# Altium PCB MB V3.PcbDoc (part 1 of 4) (continued)
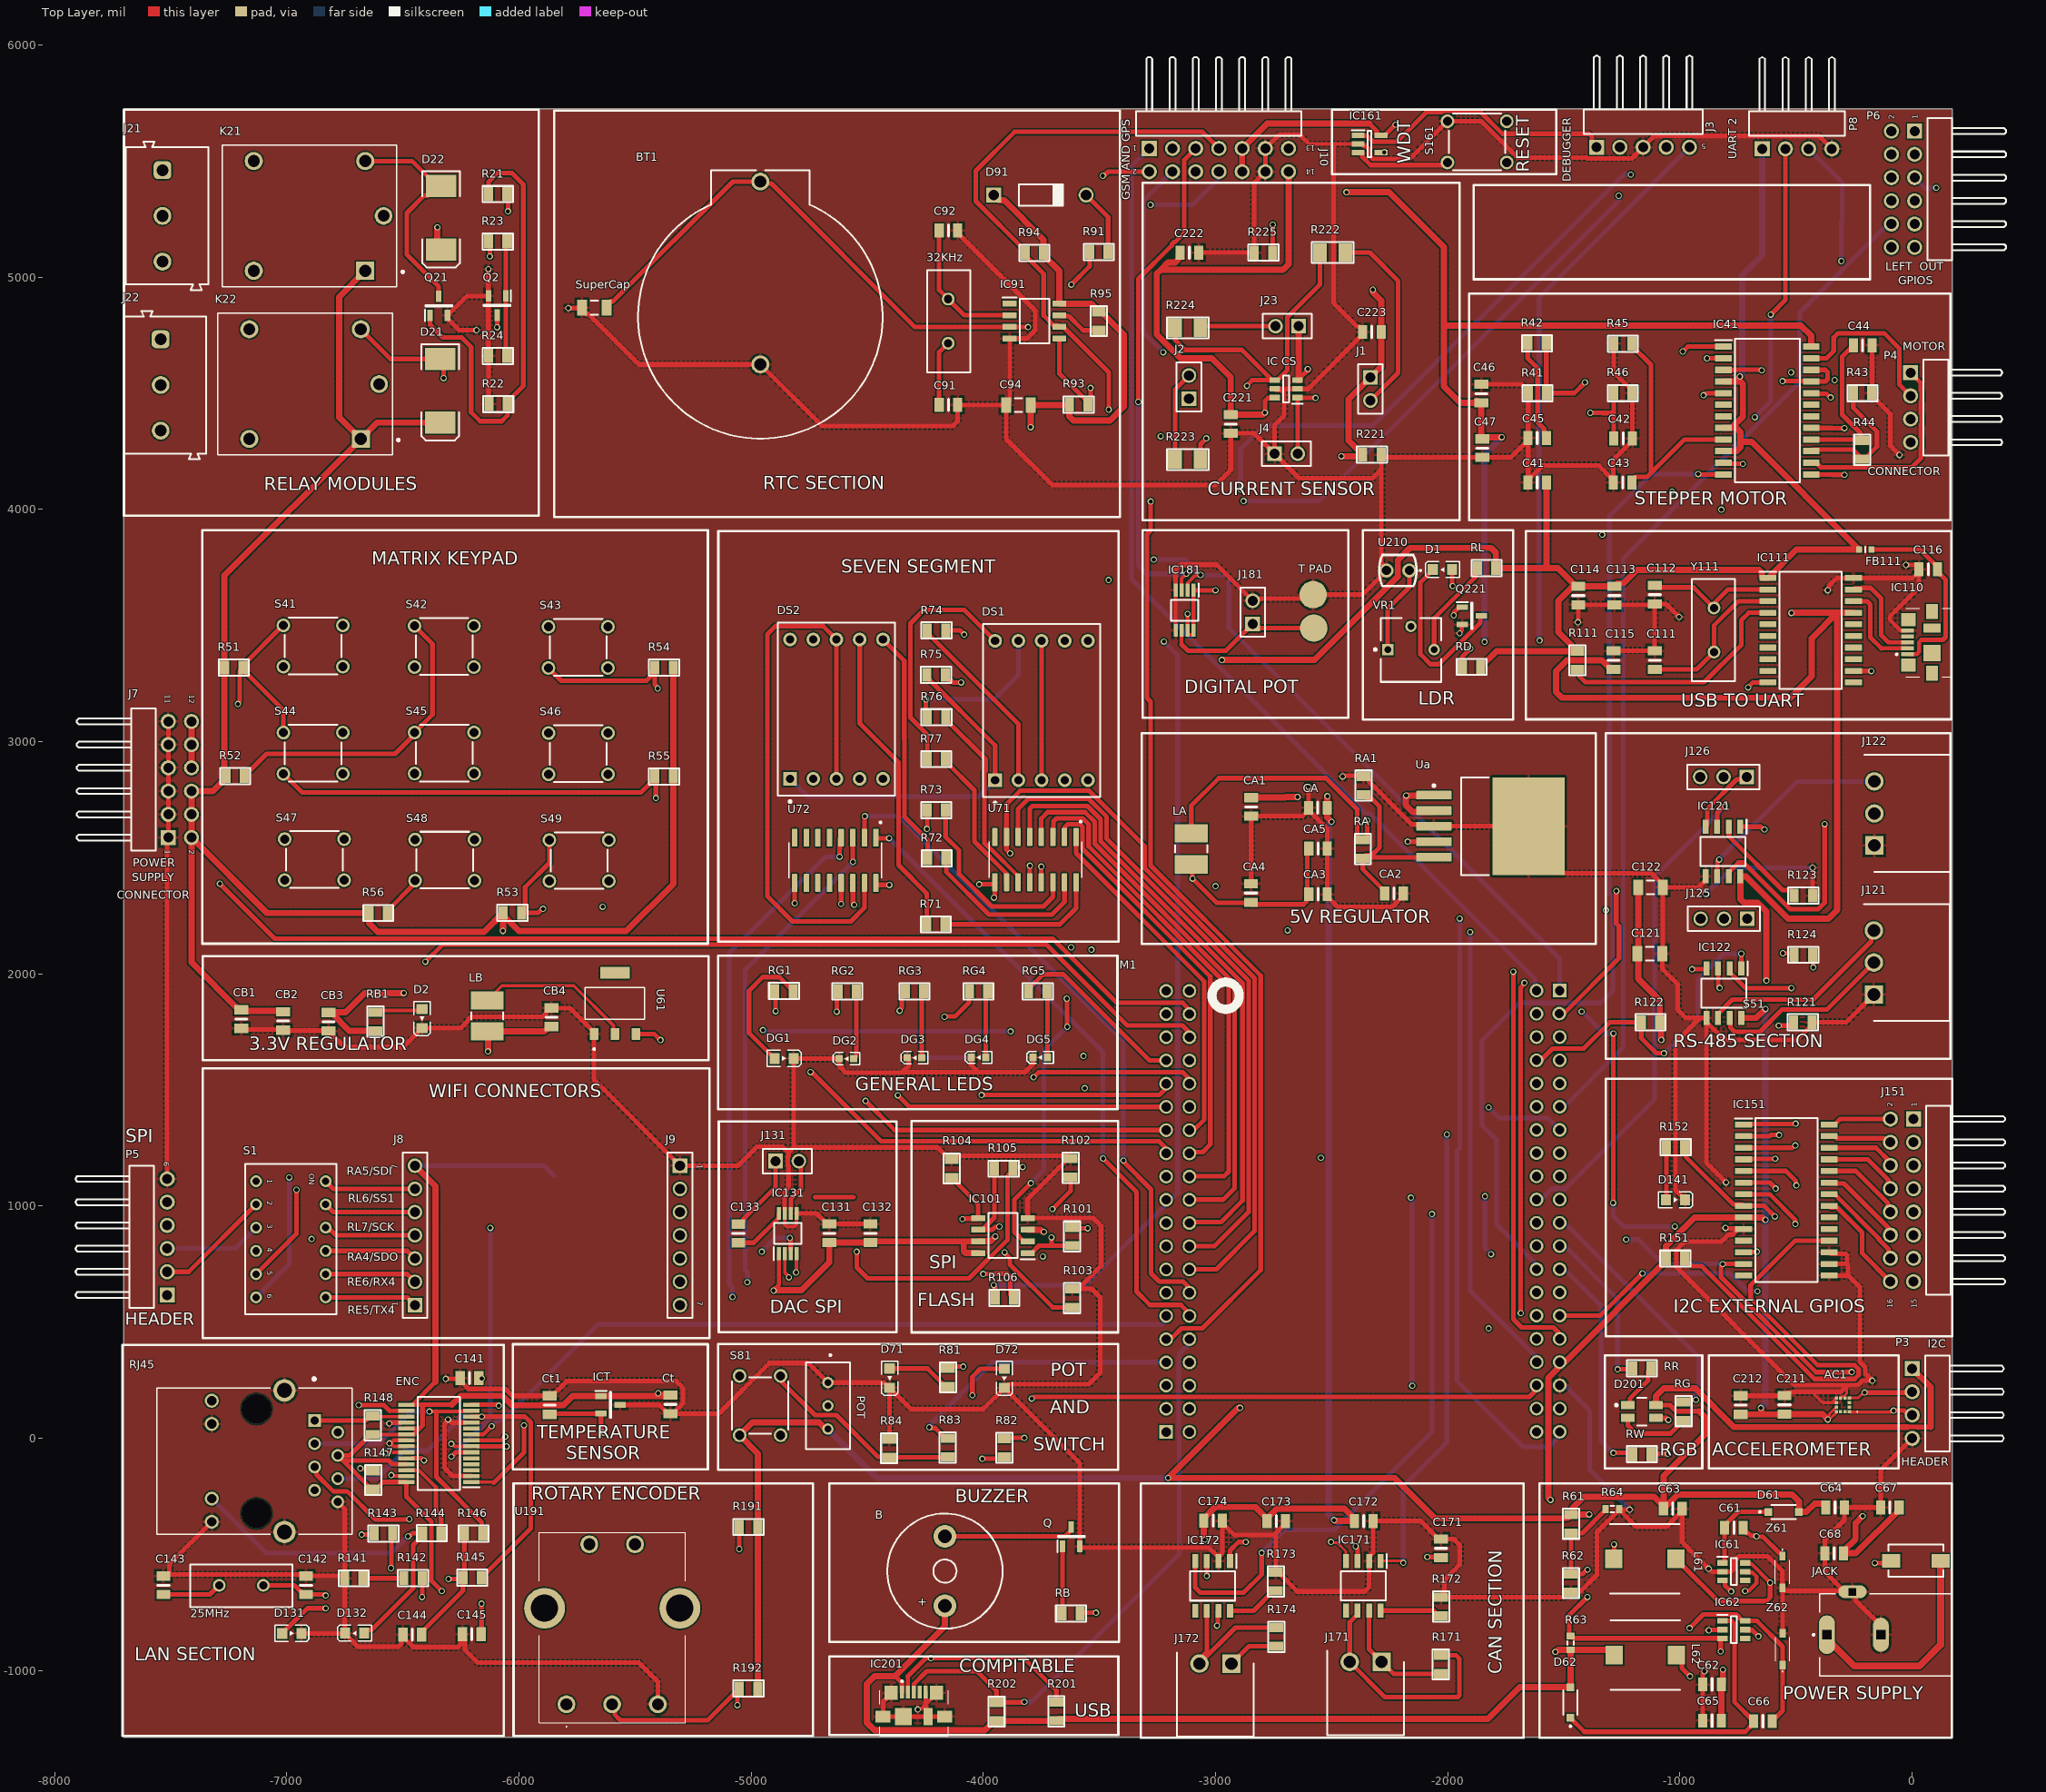
[diagram p0: Top Layer view]
## Components (designator, comment, footprint, x,y, rotation, side; value= is the part's Value field where it differs from the comment) (continued)
B "WST-1205S" "Buzzer 5v" -4165.94,-572 r90 top (schematic designator B1)
BT1 "79578211" 79578211 -4960.94,4831 r270 top
C41 "10pF" SMD-0805C -1614.94,4116 r270 top value=0.10µF
C42 "10pF" SMD-0805C -1244.94,4306 r90 top value=0.10µF
C43 "10pF" SMD-0805C -1246.94,4116 r270 top value=0.10µF
C44 "10pF" SMD-0805C -212.94,4707 r90 top value=0.10µF
C45 "10pF" SMD-0805C -1614.94,4307 r270 top value=0.10µF
C46 "100pF" SMD-0805C -1855.94,4499 r180 top value=10µF
C47 "100pF" SMD-0805C -1851.94,4264 r0 top value=0.10µF
C61 "100nF" SMD-0805C -767.94,-385 r90 top value=0.10µF
C62 "10pF" SMD-0805C -861.94,-1060 r270 top value=0.10µF
C63 "10pF" SMD-0805C -1030.94,-303 r270 top value=0.10µF
C64 "10pF" SMD-0805C -331.94,-298 r270 top value=0.10µF
C65 "10pF" SMD-0805C -861.94,-1216 r270 top value=0.10µF
C66 "100nF" SMD-0805C -642.94,-1218 r90 top value=0.10µF
C67 "10pF" SMD-0805C -95.94,-298 r90 top value=0.10µF
C68 "10pF" SMD-0805C -335.94,-495 r90 top value=0.10µF
C91 "10pF" SMD-0805C -4150.94,4451 r90 top value=0.10µF (schematic designator C19)
C92 "10pF" SMD-0805C -4150.94,5201 r90 top value=0.10µF (schematic designator C20)
C94 "Cap Semi" C1206 -3848.94,4450 r180 top value=0.1uF (schematic designator C18)
C111 "10pF" SMD-0805C -1108.94,3351 r180 top value=0.10µF (schematic designator C21)
C112 "10pF" SMD-0805C -1108.94,3633 r0 top value=0.10µF (schematic designator C22)
C113 "10uF" SMD-0805C -1282.94,3629 r0 top value=0.10µF (schematic designator C24)
C114 "10uF" SMD-0805C -1437.94,3629 r0 top value=0.10µF (schematic designator C25)
C115 "10uF" SMD-0805C -1286.94,3351 r180 top value=0.10µF (schematic designator C26)
C116 "10uF" SMD-0805C 69.06,3742 r270 top value=0.10µF (schematic designator C23)
C121 "10pF" C1206 -1129.94,2087 r180 top value=0.1uF (schematic designator C28)
C122 "10pF" C1206 -1126.94,2373 r180 top value=0.1uF (schematic designator C27)
C131 "10uF" SMD-0805C -4663.94,883 r0 top value=0.10µF (schematic designator C29)
C132 "10uF" SMD-0805C -4486.94,883 r180 top value=0.10µF (schematic designator C30)
C133 "1uF" SMD-0805C -5055.94,882 r0 top value=0.10µF (schematic designator C31)
C141 "10uF" SMD-0805C -6213.94,259 r90 top value=0.10µF (schematic designator C32)
C142 "10pF" SMD-0805C -6917.94,-633 r180 top value=0.10µF (schematic designator C35)
C143 "10pF" SMD-0805C -7531.94,-633 r180 top value=0.10µF (schematic designator C36)
C144 "10nF" SMD-0805C -6459.94,-845 r270 top value=0.10µF
C145 "10nF" SMD-0805C -6203.94,-844 r270 top value=0.10µF
C171 "0.22uF" SMD-0805C -2029.94,-474 r180 top value=0.10µF (schematic designator C37)
C172 "0.22uF" SMD-0805C -2361.94,-356 r90 top value=0.10µF (schematic designator C38)
C173 "0.22uF" SMD-0805C -2738.94,-356 r90 top value=0.10µF (schematic designator C39)
C174 "0.22uF" SMD-0805C -3010.94,-355 r90 top value=0.10µF (schematic designator C40)
C211 "10uF" SMD-0805C -549.94,144 r180 top value=0.10µF (schematic designator C41)
C212 "100nF" SMD-0805C -738.94,143 r180 top value=0.10µF (schematic designator C42)
C221 "2.2uF" SMD-0805C -2934.94,4368 r0 top value=0.10µF (schematic designator C43)
C222 "0.1uF" SMD-0805C -3112.94,5106 r90 top value=0.10µF (schematic designator C44)
C223 "0.1uF" SMD-0805C -2326.94,4764 r90 top value=0.10µF (schematic designator C45)
CA "220uF" SMD-0805C -2559.94,2715 r270 top value=0.10µF
CA1 "0.1uF" SMD-0805C -2846.94,2719 r0 top value=0.10µF
CA2 "0.1uF" SMD-0805C -2231.94,2346 r90 top value=0.10µF
CA3 "0.1uF" SMD-0805C -2558.94,2343 r90 top value=0.10µF
CA4 "15pF" SMD-0805C -2847.94,2348 r180 top value=0.10µF
CA5 "220uF" SMD-0805C -2558.94,2540 r90 top value=0.10µF
CB1 "0.1UF" SMD-0805C -7196.94,1805 r0 top value=0.10µF
CB2 "100nF" SMD-0805C -7015.94,1797 r0 top value=0.10µF
CB3 "0.1uF" SMD-0805C -6820.94,1794 r0 top value=0.10µF
CB4 "100nF" SMD-0805C -5860.94,1813 r180 top value=0.10µF
Ct "0.10µF" SMD-0805C -5348.94,146 r0 top (schematic designator Ct1)
Ct1 "0.10µF" SMD-0805C -5867.94,143 r180 top (schematic designator Ct2)
D1 "150080BS75000" WL-SMCW_0805 -2023.28,3741 r0 top
D2 "150080BS75000" WL-SMCW_0805 -6417.94,1807.66 r90 top
D21 "Diode" SMC -6339.94,4511 r270 top (schematic designator D2)
D22 "Diode" SMC -6335.94,5256 r270 top (schematic designator D1)
D61 "1N4148W-V-GS08" 1N4148WVGS08 -553.94,-317 r0 top
D62 "1N4148W-V-GS08" 1N4148WVGS08 -1471.94,-1138 r90 top
D71 "150080BS75000" WL-SMCW_0805 -4403.94,259 r90 top
D72 "150080BS75000" WL-SMCW_0805 -3909.94,258 r90 top
D91 "1N4007/M7" "Diode DO 35" -3777.94,5354 r0 top
D131 "150080BS75000" WL-SMCW_0805 -6978.94,-840 r180 top
D132 "150080BS75000" WL-SMCW_0805 -6708.94,-839 r0 top
D141 "150080BS75000" WL-SMCW_0805 -1019.28,1027 r180 top (schematic designator D12)
D201 "Red & Green & Blue, 120°" WL-SFTW_3528_150141M173100 -1163.94,115 r0 top (schematic designator D13)
DG1 "150080VS75000" WL-SMCW_0805 -4858.94,1636 r180 top
DG2 "150060GS75000" WL-SMCW_0603 -4589.94,1635 r0 top
DG3 "150060YS75000" WL-SMCW_0603 -4296.94,1639 r0 top
DG4 "150060BS75000" WL-SMCW_0603 -4020.94,1640 r0 top
DG5 "150060RS75000" WL-SMCW_0603 -3755.94,1640 r0 top
DS1 "Dpy Blue-CC" H -3749.94,3134 r0 top
DS2 "Dpy Blue-CC" H -4632.94,3140 r0 top
ENC "ENC28J60T-I_SS" SOP65P780X200-28N -6345.94,-22 r180 top (schematic designator ENC1)
FB111 "BLM18SG121TN1D" BLM18EG101TH1D -201.37,3827 r0 top (schematic designator FB1)
IC41 "MTS2916A" SOIC127P1046X264-24N -623.94,4426 r0 top (schematic designator IC1)
IC61 "MCP16331T-E_CH" SOT95P280X145-6N -767.94,-574 r0 top
IC62 "MCP16331T-E_CH" SOT95P280X145-6N -768.16,-824 r0 top
IC91 "MCP79402-I_SN" SOIC127P600X175-8N -3779.94,4811 r0 top (schematic designator IC5)
IC101 "SST25VF512A-33-4C-SAE" SOIC127P600X175-8N -3915.94,873 r180 top (schematic designator IC8)
IC110 "" 0473461001 58.09,3427.28 r90 top (schematic designator IC6)
IC111 "MCP2200-I_SO" SOIC127P1030X265-20N -436.94,3480 r0 top (schematic designator IC7)
IC121 "THVD1450D" SOIC127P600X175-8N -814.94,2527 r270 top (schematic designator IC9)
IC122 "THVD1450D" SOIC127P600X175-8N -810.94,1917 r270 top (schematic designator IC10)
IC131 "MCP4822-E_MS" SOP65P490X110-8N -4842.94,882 r90 top (schematic designator IC11)
IC151 "MCP23017T-E_SO" SOIC127P1030X265-28N -541.94,1026 r0 top (schematic designator IC12)
IC161 "MCP1320T-25LE_OT" SOT95P270X145-5N -2336.94,5574 r0 top (schematic designator IC13)
IC171 "MCP2551-E_SN" SOIC127P600X175-8N -2363.94,-635 r270 top (schematic designator IC14)
IC172 "MCP2551-E_SN" SOIC127P600X175-8N -3012.94,-636 r270 top (schematic designator IC15)
IC181 "MCP4531-103E_MS" SOP65P490X110-8N -3133.94,3566 r270 top
IC201 "" 0473461001 -4299.67,-1171.03 r0 top
"IC CS" "MCP6C02T-020E_CHY" SOT95P280X145-6N -2695.94,4519 r180 top (schematic designator "IC CS1")
ICT "MCP9700T-E_TT" SOT95P237X112-3N -5605.94,144 r0 top (schematic designator ICT1)
J1 "61300211121" 61300211121 -2332.94,4519 r270 top
J2 "61300211121" 61300211121 -3114.94,4527 r90 top
J3 "61300511021" 61300511021 -1158.94,5669 r180 top
J4 "61300211121" 61300211121 -2695.94,4240 r0 top (schematic designator J21)
J7 "61301221021" 61301221021 -7618.43,2837 r270 top
J8 "61300711121" 61300711121 -6448.94,874 r90 top
J9 "61300711121" 61300711121 -5307.21,874 r270 top
J10 "61301421021" 61301421021 -2985.94,5662 r180 top
J21 "691101710003" 691101710003 -7516.26,5263.99 r270 top (schematic designator J6)
J22 "691101710003" 691101710003 -7524.26,4535.99 r270 top (schematic designator J7)
J23 "61300211121" 61300211121 -2691.94,4789 r180 top
J121 "284512-3" SHDRRA3W80P0X350_1X3_1250X920X745P -164.94,1911 r270 top (schematic designator J12)
J122 "284512-3" SHDRRA3W80P0X350_1X3_1250X920X745P -162.94,2553 r270 top (schematic designator J9)
J125 "61300311121" 61300311121 -810.94,2237 r180 top (schematic designator J10)
J126 "61300311121" 61300311121 -812.94,2848 r180 top (schematic designator J11)
J131 "61300211121" 61300211121 -4844.94,1194 r0 top (schematic designator J13)
J151 "61301621021" 61301621021 113.54,1025 r90 top (schematic designator J15)
J171 "1844210" SHDRRA2W80P0X350_1X2_840X920X825P -2284.94,-963 r180 top (schematic designator J17)
J172 "1844210" SHDRRA2W80P0X350_1X2_840X920X825P -2931.94,-970 r180 top (schematic designator J18)
J181 "61300211121" 61300211121 -2840.94,3557 r90 top (schematic designator J19)
JACK "JACK" JACK -24.94,-7976 r90 top (schematic designator JACK1)
K21 "RELAY" RELAY -4892.34,5589.5 r180 top (schematic designator K1)
K22 "RELAY" RELAY -4911.29,4865.28 r180 top (schematic designator K2)
L61 "DR73-150-R" INDPM7676X355N -1151.94,-519 r0 top
L62 "DR73-150-R" INDPM7676X355N -1149.94,-934 r0 top
LA "330uH" WE-LQ_1812 -3104.94,2538 r270 top
LB "330uH" WE-LQ_1812 -6136.94,1819.07 r270 top
M1 "MCU CARD -PIC18F97J94" MCU-Card-PIC18f97j94 -2352.94,974 r0 top
P3 "61300411021" 61300411021 109.06,150 r90 top
P4 "61300411021" 61300411021 102.11,4439 r90 top
P5 "61300611021" 61300611021 -7624.94,867 r270 top
P6 "61301221021" 61301221021 118.06,5379 r90 top
P8 "61300411021" 61300411021 -495.94,5662 r180 top
POT "3296W-1-101LF" 3296W-1 -4669.94,140 r270 top
Q "S12302DS Nchanel SMD SOT-23" SOT-23-3N -3621.94,-424 r90 top (schematic designator Q4)
Q2 "S12302DS Nchanel SMD SOT-23" SOT-23-3N -6094.94,4878 r270 top
Q21 "S12302DS Nchanel SMD SOT-23" SOT-23-3N -6345.94,4877 r90 top (schematic designator Q1)
Q221 "S12302DS Nchanel SMD SOT-23" SOT-23-3N -1896.94,3542 r0 top
R21 "0" SMD-0805-RES -6091.94,5358 r90 top value=1k (schematic designator R1)
R22 "1k" SMD-0805-RES -6089.94,4454 r90 top (schematic designator R2)
R23 "0" SMD-0805-RES -6091.94,5154 r270 top value=1k (schematic designator R3)
R24 "1k" SMD-0805-RES -6091.94,4661 r90 top (schematic designator R4)
R41 "1k" SMD-0805-RES -1613.94,4501 r90 top
R42 "1k" SMD-0805-RES -1615.94,4716 r90 top
R43 "1k" SMD-0805-RES -213.94,4501 r270 top
R44 "1k" SMD-0805-RES -214.94,4257 r0 top value=49.9
R45 "1k" SMD-0805-RES -1245.94,4714 r90 top value=49.9
R46 "1k" SMD-0805-RES -1245.94,4501 r270 top value=2.32k
R51 "4.7K" SMD-0805-RES -7228.94,3319 r270 top value=1k
R52 "4.7K" SMD-0805-RES -7222.94,2852 r270 top value=1k
R53 "4.7K" SMD-0805-RES -6028.94,2263 r270 top value=1k
R54 "4.7K" SMD-0805-RES -5375.94,3319 r270 top value=1k
R55 "4.7K" SMD-0805-RES -5375.94,2850 r270 top value=1k
R56 "4.7K" SMD-0805-RES -6606.94,2262 r90 top value=1k
R61 "52.3K" SMD-0805-RES -1468.94,-368 r180 top value=1k
R62 "10K" SMD-0805-RES -1469.94,-624 r180 top value=1k
R63 "Res3" J1-0603 -1471.94,-881 r90 top value=0.1
R64 "Res3" J1-0603 -1290.94,-304 r0 top value=10K
R71 "1K" SMD-0805-RES -4204.94,2213 r90 top value=1k (schematic designator R23)
R72 "1K" SMD-0805-RES -4200.94,2498 r90 top value=1k (schematic designator R24)
R73 "1K" SMD-0805-RES -4202.94,2705 r90 top value=1k (schematic designator R25)
R74 "1K" SMD-0805-RES -4201.94,3479 r90 top value=1k (schematic designator R26)
R75 "1K" SMD-0805-RES -4203.94,3288 r90 top value=1k (schematic designator R27)
R76 "1K" SMD-0805-RES -4201.94,3105 r90 top value=1k (schematic designator R28)
R77 "1K" SMD-0805-RES -4202.94,2925 r90 top value=1k (schematic designator R29)
R81 "1K" SMD-0805-RES -4152.94,262 r180 top value=1k
R82 "1K" SMD-0805-RES -3909.94,-41 r180 top value=1k
R83 "1K" SMD-0805-RES -4153.94,-40 r0 top value=1k
R84 "1K" SMD-0805-RES -4405.94,-43 r180 top value=1k
R91 "100E-TH" SMD-0805-RES -3502.94,5109 r270 top value=1k
R93 "4.7K" SMD-0805-RES -3589.94,4452 r90 top value=1k (schematic designator R35)
R94 "4.7K" SMD-0805-RES -3780.94,5105 r270 top value=1k (schematic designator R36)
R95 "10K" SMD-0805-RES -3502.94,4811 r180 top value=1k (schematic designator R34)
R101 "2.2K" SMD-0805-RES -3617.94,869 r0 top value=1k
R102 "3.3K" SMD-0805-RES -3624.94,1165 r180 top value=1k
R103 "3.3K" SMD-0805-RES -3617.94,604 r180 top value=1k
R104 "3.3K" SMD-0805-RES -4136.94,1162 r180 top value=1k
R105 "2.2K" SMD-0805-RES -3912.94,1161 r90 top value=1k
R106 "2.2K" SMD-0805-RES -3909.94,605 r270 top value=1k
R111 "10K" SMD-0805-RES -1441.94,3350 r0 top value=1k (schematic designator R38)
R121 "10K" SMD-0805-RES -470.94,1791 r90 top value=1k
R122 "10K" SMD-0805-RES -1126.94,1791 r270 top value=1k (schematic designator R42)
R123 "10K" SMD-0805-RES -468.94,2337 r90 top value=1k
R124 "10K" SMD-0805-RES -468.94,2082 r270 top value=1k (schematic designator R40)
R141 "1K" SMD-0805-RES -6711.94,-603 r90 top value=1k
R142 "1K" SMD-0805-RES -6456.94,-602 r90 top value=1k
R143 "1K" SMD-0805-RES -6583.94,-410 r90 top value=1k
R144 "1K" SMD-0805-RES -6375.94,-409 r90 top value=1k
R145 "51" SMD-0805-RES -6201.94,-600 r90 top value=1k
R146 "51" SMD-0805-RES -6195.94,-410 r270 top value=1k
R147 "51" SMD-0805-RES -6628.94,-180 r180 top value=1k
R148 "51" SMD-0805-RES -6629.94,56 r0 top value=1k
R151 "10K" SMD-0805-RES -1019.94,774 r270 top value=1k (schematic designator R49)
R152 "1K" SMD-0805-RES -1018.94,1253 r90 top value=1k (schematic designator R50)
R171 "120r" SMD-0805-RES -2029.94,-974 r0 top value=1k (schematic designator R52)
R172 "10K" SMD-0805-RES -2028.94,-724 r0 top value=1k (schematic designator R51)
R173 "10K" SMD-0805-RES -2740.94,-617 r0 top value=1k (schematic designator R53)
R174 "120r" SMD-0805-RES -2738.94,-855 r0 top value=1k (schematic designator R54)
R191 "10K" SMD-0805-RES -5011.94,-382 r90 top value=1k (schematic designator R55)
R192 "10K" SMD-0805-RES -5011.94,-1078 r90 top value=1k (schematic designator R57)
R201 "10K" SMD-0805-RES -3685.94,-1176 r180 top value=1k (schematic designator R58)
R202 "10K" SMD-0805-RES -3943.94,-1177 r0 top value=1k (schematic designator R59)
R221 "10K" SMD-0805-RES -2326.94,4236 r270 top value=1M
R222 "10 ohm" SMD-1206-RES -2495.94,5106 r270 top value=0.22 (schematic designator R62)
R223 "1K" SMD-1206-RES -3119.94,4215 r90 top value=0.22
R224 "0 ohm" SMD-1206-RES -3119.94,4782 r270 top value=0.22 (schematic designator R64)
R225 "20K" SMD-0805-RES -2793.94,5106 r90 top value=1M (schematic designator R61)
RA "10K" SMD-0805-RES -2365.94,2538 r0 top value=1k
RA1 "3.3K" SMD-0805-RES -2362.94,2811 r180 top value=1k
RB "1k" SMD-0805-RES -3622.94,-754 r270 top (schematic designator RB2)
RB1 "1K" SMD-0805-RES -6618.94,1795 r0 top value=1k
RD "1k" SMD-0805-RES -1897.94,3322 r270 top
RG "1k" SMD-0805-RES -984.94,117 r0 top (schematic designator RG1)
RG1 "1K" SMD-0805-RES -4858.94,1926 r270 top value=1k (schematic designator RG2)
RG2 "1K" SMD-0805-RES -4586.94,1924 r270 top value=1k (schematic designator RG3)
RG3 "1K" SMD-0805-RES -4296.94,1925 r270 top value=1k (schematic designator RG4)
RG4 "1K" SMD-0805-RES -4020.94,1925 r270 top value=1k (schematic designator RG5)
RG5 "1K" SMD-0805-RES -3765.94,1925 r270 top value=1k (schematic designator RG6)
RJ45 "RJ45" RJ45 -11328.53,-28299.93 r90 top
RL "1k" SMD-0805-RES -1832.94,3747 r270 top
RR "1k" SMD-0805-RES -1163.94,301 r90 top (schematic designator RR1)
RW "1k" SMD-0805-RES -1163.94,-69 r90 top (schematic designator RW1)
S1 "418117170906" 418117170906 -6982.94,857 r270 top
S41 "430156043726" 4301x60437x6 -6886.94,3412 r0 top (schematic designator S1)
S42 "430156043726" 4301x60437x6 -6322.94,3410 r0 top (schematic designator S2)
S43 "430156043726" 4301x60437x6 -5745.94,3406 r0 top (schematic designator S3)
S44 "430156043726" 4301x60437x6 -6886.94,2950 r0 top (schematic designator S4)
S45 "430156043726" 4301x60437x6 -6321.94,2951 r0 top (schematic designator S5)
S46 "430156043726" 4301x60437x6 -5744.94,2948 r0 top (schematic designator S6)
S47 "430156043726" 4301x60437x6 -6881.94,2492 r180 top (schematic designator S7)
S48 "430156043726" 4301x60437x6 -6319.94,2490 r0 top (schematic designator S8)
S49 "430156043726" 4301x60437x6 -5741.94,2488 r0 top (schematic designator S9)
S51 "434113043826" 434113043826 16.06,-527 r180 top
S81 "430156043726" 4301x60437x6 -4961.94,141 r270 top
S161 "430156043726" 4301x60437x6 -1873.94,5583 r0 top (schematic designator S12)
SuperCap "Cap Semi" C1206 -5675.94,4869 r180 top (schematic designator SuperCap1)
"T PAD" "pad" pad -2576.94,3595 r270 top (schematic designator "T PAD1")
U61 "AMS1117-3.3" SOT229P700X180-4N -5586.94,1873 r90 top
U71 "ULN2003ADR" SOIC127P600X175-16N -3775.94,2492 r270 top (schematic designator U2)
U72 "ULN2003ADR" SOIC127P600X175-16N -4637.94,2489 r270 top (schematic designator U3)
U191 "PEC16-4220F-S0024" PEC164120FS0012 -5796.13,-1145.39 r0 top (schematic designator U4)
U210 "S" NSL-19M51 -2214.94,3737 r180 top (schematic designator U5)
Ua "LM39302" DDPACK-5 -1660.94,2621 r270 top
VR1 "50k" "Trim pot square Horizontal" -2158.94,3395 r0 top
Y111 "25MHz" "Mini Crystal" -1008.94,3481 r90 top (schematic designator Y1)
Z61 "BAT46ZFILM" STPS0560Z -558.94,-576 r270 top
Z62 "BAT46ZFILM" STPS0560Z -557.94,-908 r90 top

## Footprints (in the part's own frame and the unit in brackets; to place one, negate y for a bottom-side part, rotate by r counter-clockwise, add the part's x,y. Pads: shape width x height; smd on the part's side, far side on the other; paste and mask are expansions set on the pad)
1N4148WVGS08 [mm]
  rect 0.85x0.85 smd: 1(-1.675,0) 2(1.675,0)
  silkscreen extent -2.7,-0.78 1.35,0.78, body extent -1.85,-0.77 1.85,0.77, height 1.26
3296W-1 [mm]
  round 1.24 hole 0.74: 1(-2.54,0) 2(0,0) 3(2.54,0)
  silkscreen extent -5.64,-2.41 4.76,2.41, body extent -4.78,-2.48 4.78,2.35, height 11.55
4301x60437x6 [mm] "6x6mm Tact Switch, THT version"
  round 1.5 hole 1: 1(-3.25,2.25) 2(-3.25,-2.25) 3(3.25,2.25) 4(3.25,-2.25)
  silkscreen extent -3.1,-3.1 3.1,3.1, body extent -3.95,-3.1 3.95,3.1, height 4.35
79578211 [mm] "Battery Holder"
  round 1.95 hole 1.3: 1(-14.755,0) 2(5.245,0)
  silkscreen extent -15.98,-13.37 13.37,13.37, body extent -15.97,-13.38 13.38,13.37, height 9.6
0473461001 [mm]
  rect 0.45x1.38 smd: 1(-1.3,1.975) 2(-0.65,1.975) 3(0,1.975) 4(0.65,1.975) 5(1.3,1.975)
  rect 1.425x1.55 smd: MP1(-2.487,1.89) MP2(2.487,1.89)
  rect 1.65x1.3 smd: MP3(-3.375,-0.685) MP6(3.375,-0.685)
  rect 1.8x1.9 smd: MP4(-1.15,-0.685)
  rect 1x1.9 smd: MP5(1.55,-0.685)
  silkscreen extent -3.75,-2.84 3.75,3.26, body extent -3.9,-2.5 3.9,2.5, height 2.72
61300211121 [mm] "Pin Header, pitch 2.54 mm, THT, Vertical, single row, 2p"
  rect 1.6x1.6 hole 1.1: 1(-1.27,0)
  round 1.6 hole 1.1: 2(1.27,0)
  silkscreen extent -2.69,-1.34 2.69,1.34, body extent -2.54,-1.27 2.54,1.27, height 8.57
61300311121 [mm] "Pin Header, pitch 2.54 mm, THT, Vertical, single row, 3p"
  rect 1.6x1.6 hole 1.1: 1(-2.54,0)
  round 1.6 hole 1.1: 2(0,0) 3(2.54,0)
  silkscreen extent -3.96,-1.34 3.96,1.34, body extent -3.81,-1.27 3.81,1.27, height 8.57
61300411021 [mm] "Pin Header, pitch 2.54 mm, THT, Angled, single row, 4p"
  rect 1.65x1.65 hole 1.1: 1(3.81,2.77)
  round 1.65 hole 1.1: 2(1.27,2.77) 3(-1.27,2.77) 4(-3.81,2.77)
  silkscreen extent -5.23,-7.27 5.23,1.34, body extent -5.08,-7.27 5.08,3.09, height 2.58
61300511021 [mm] "Pin Header, pitch 2.54 mm, THT, Angled, single row, 5p"
  rect 1.65x1.65 hole 1.1: 1(5.08,2.77)
  round 1.65 hole 1.1: 2(2.54,2.77) 3(0,2.77) 4(-2.54,2.77) 5(-5.08,2.77)
  silkscreen extent -6.5,-7.27 6.5,1.34, body extent -6.35,-7.27 6.35,3.09, height 2.58
61300611021 [mm] "Pin Header, pitch 2.54 mm, THT, Angled, single row, 6p"
  rect 1.65x1.65 hole 1.1: 1(6.35,2.77)
  round 1.65 hole 1.1: 2(3.81,2.77) 3(1.27,2.77) 4(-1.27,2.77) 5(-3.81,2.77) 6(-6.35,2.77)
  silkscreen extent -7.77,-7.27 7.77,1.34, body extent -7.62,-7.27 7.62,3.09, height 2.58
61300711121 [mm] "Pin Header, pitch 2.54 mm, THT, Vertical, single row, 7p"
  rect 1.6x1.6 hole 1.1: 1(-7.62,0)
  round 1.6 hole 1.1: 2(-5.08,0) 3(-2.54,0) 4(0,0) 5(2.54,0) 6(5.08,0) 7(7.62,0)
  silkscreen extent -9.04,-1.34 9.04,1.34, body extent -8.89,-1.27 8.89,1.27, height 8.57
61301221021 [mm] "Pin Header, pitch 2.54 mm, THT, Angled, dual row, 12p"
  rect 1.65x1.65 hole 1.1: 1(6.35,2.73)
  round 1.65 hole 1.1: 2(6.35,5.27) 3(3.81,2.73) 4(3.81,5.27) 5(1.27,2.73) 6(1.27,5.27) 7(-1.27,2.73) 8(-1.27,5.27) 9(-3.81,2.73) 10(-3.81,5.27) 11(-6.35,2.73) 12(-6.35,5.27)
  silkscreen extent -7.77,-7.27 7.77,1.34, body extent -7.62,-7.27 7.62,5.63, height 5.12
61301421021 [mm] "Pin Header, pitch 2.54 mm, THT, Angled, dual row, 14p"
  rect 1.65x1.65 hole 1.1: 1(7.62,2.73)
  round 1.65 hole 1.1: 2(7.62,5.27) 3(5.08,2.73) 4(5.08,5.27) 5(2.54,2.73) 6(2.54,5.27) 7(0,2.73) 8(0,5.27) 9(-2.54,2.73) 10(-2.54,5.27) 11(-5.08,2.73) 12(-5.08,5.27) 13(-7.62,2.73) 14(-7.62,5.27)
  silkscreen extent -9.04,-7.27 9.04,1.34, body extent -8.89,-7.27 8.89,5.63, height 5.12
61301621021 [mm] "Pin Header, pitch 2.54 mm, THT, Angled, dual row, 16p"
  rect 1.65x1.65 hole 1.1: 1(8.89,2.73)
  round 1.65 hole 1.1: 2(8.89,5.27) 3(6.35,2.73) 4(6.35,5.27) 5(3.81,2.73) 6(3.81,5.27) 7(1.27,2.73) 8(1.27,5.27) 9(-1.27,2.73) 10(-1.27,5.27) 11(-3.81,2.73) 12(-3.81,5.27) 13(-6.35,2.73) 14(-6.35,5.27) 15(-8.89,2.73) 16(-8.89,5.27)
  silkscreen extent -10.31,-7.27 10.31,1.34, body extent -10.16,-7.27 10.16,5.63, height 5.12
418117170906 [mm] "2.54 mm compact THT with flat actuator, 6p"
  round 1.3 hole 0.8: 1(-6.35,-3.81) 2(-3.81,-3.81) 3(-1.27,-3.81) 4(1.27,-3.81) 5(3.81,-3.81) 6(6.35,-3.81) 7(6.35,3.81) 8(3.81,3.81) 9(1.27,3.81) 10(-1.27,3.81) 11(-3.81,3.81) 12(-6.35,3.81)
  silkscreen extent -8.22,-5 8.22,5, body extent -8.12,-4.95 8.12,4.95, height 5.75
434113043826 [mm] "SMD Tact Switch, body 6x3.5mm"
  rect 2x1.5 smd: 1(-2.7,0) 2(2.7,0)
  silkscreen extent -3,-1.75 3,1.75, body extent -3.65,-1.75 3.65,1.75, height 4.3
691101710003 [mm] "5,00mm - modular - blue - Horizontal entry with pressure clamp - 12,6mm height - 03p"
  rrect50% 1.95x1.95 hole 1.3: 1(-5,-0.5)
  round 1.95 hole 1.3: 2(0,-0.5) 3(5,-0.5)
  silkscreen extent -8.1,-4.5 8.1,4.5, body extent -8.1,-4.5 8.1,4.5, height 12.65
BLM18EG101TH1D [mm]
  rect 0.65x0.7 smd: 1(-0.675,0) 2(0.675,0)
  silkscreen extent 0,-0.3 0,0.3, body extent -0.76,-0.25 0.84,0.25, height 0.4
"Buzzer 5v" [mm]
  round 2.5 hole 1.5: 1(-3.8,0) 2(3.8,0)
  silkscreen extent -6.3,-6.3 6.3,6.3, body extent -6,-6 6,6, height 10.3
C1206 [mm] "Chip Capacitor, Body 3.2x1.6mm, IPC High Density"
  rect 1.1x1.7 smd: 1(-1.35,0) 2(1.35,0)
  silkscreen extent -0.4,-0.75 0.4,0.75, body extent -1.7,-0.9 1.7,0.9, height 1.3
DDPACK-5 [mm] "DPAK, 5-Leads, Body 10.65x9.65mm, Pitch 1.7mm, IPC High Density"
  rrect11% 0.95x3.85 smd: 1(-3.781,-10.137) 2(-2.081,-10.137) 3(-0.381,-10.137) 4(1.319,-10.137) 5(3.019,-10.137)
  rrect1% 10.7x7.9 smd: 6(-0.381,0.213)
  silkscreen extent -5.73,-10.26 4.97,-4.14, body extent -5.49,-11.4 4.73,2.95, height 4.48
"Diode DO 35" [mm] "2-Leads, Axial Lead, Body 4.635x2.36mm, Pin Spacing 9mm"
  rect 1.65x1.65 hole 1.15: 1(-4.5,0)
  round 1.65 hole 1.15: 2(5.588,0)
  silkscreen extent -1.78,-1.18 3.05,1.22, body extent -4.77,-0.9 5.94,0.9, height 2.32
H [mm] "LED, 7-Segment Display, 14.2 mm, RHD; 10 Leads; Row Space 15.24 mm; Pitch 2.54 mm"
  rect 1.5x1.5 hole 0.9: 1(-5.08,-7.62)
  round 1.5 hole 0.9: 2(-2.54,-7.62) 3(0,-7.62) 4(2.54,-7.62) 5(5.08,-7.62) 6(5.08,7.62) 7(2.54,7.62) 8(0,7.62) 9(-2.54,7.62) 10(-5.08,7.62)
  silkscreen extent -6.4,-10.22 6.4,9.45, body extent -6.4,-9.45 6.4,9.45, height 8.25
INDPM7676X355N [mm]
  rect 1.9x2.05 smd: 1(-3.4,0) 2(3.4,0)
  silkscreen extent -3.8,-3.8 3.8,3.8, body extent -3.8,-3.8 3.8,3.8, height 3.55
J1-0603 [mm] "Chip Resistor, Body 1.6x0.8mm, IPC High Density"
  rect 0.7x0.9 smd: 1(-0.75,0) 2(0.75,0)
  silkscreen extent -0.2,-0.35 0.2,0.35, body extent -0.85,-0.48 0.85,0.48, height 0.9
JACK [mm]
  oval 4.25x1.75 hole 1 square mask+0.05: A(181.102,8.694)
  oval 3.75x1.75 hole 1 square mask+0.05: B(181.102,2.794)
  oval 1.4x3.1 hole 0.8 square mask+0.05: C(185.802,5.894)
  silkscreen extent 176.6,-4.91 185.6,10.24, body extent 176.6,-4.91 185.96,9.49, height 10.8
LIS2DE12TR [mm]
  rect 0.375x0.35 smd: 1(-0.712,0.75) 2(-0.712,0.25) 3(-0.712,-0.25) 4(-0.712,-0.75) 7(0.712,-0.75) 8(0.712,-0.25) 9(0.712,0.25) 10(0.712,0.75)
  rect 0.35x0.375 smd: 5(-0.25,-0.75) 6(0.25,-0.75) 12(-0.25,0.75) ""(0.25,0.75)
  silkscreen extent -1.6,0.7 -1.5,0.8, body extent -1,-1 1,1, height 0.92
MCU-Card-PIC18f97j94 [mm] "MCU card module"
  round 1.5 hole 1.02: 1(-21.844,24.206) 2(-21.844,21.666) 3(-21.844,19.126) 4(-21.844,16.586) 5(-21.844,14.046) 6(-21.844,11.506) 7(-21.844,8.966) 8(-21.844,6.426) 9(-21.844,3.886) 10(-21.844,1.346) 11(-21.844,-1.194) 12(-21.844,-3.734) 13(-21.844,-6.274) 14(-21.844,-8.814) 15(-21.844,-11.354) 16(-21.844,-13.894) 17(-21.844,-16.434) 18(-21.844,-18.974) 19(-21.844,-21.514) 21(-19.304,24.206) 22(-19.304,21.666) 23(-19.304,19.126) 24(-19.304,16.586) 25(-19.304,14.046) 26(-19.304,11.506) 27(-19.304,8.966) 28(-19.304,6.426) 29(-19.304,3.886) 30(-19.304,1.346) 31(-19.304,-1.194) 32(-19.304,-3.734) 33(-19.304,-6.274) 34(-19.304,-8.814) 35(-19.304,-11.354) 36(-19.304,-13.894) 37(-19.304,-16.434) 38(-19.304,-18.974) 39(-19.304,-21.514) 40(-19.304,-24.054) 41(18.669,24.232) 42(18.669,21.692) 43(18.669,19.152) 44(18.669,16.612) 45(18.669,14.072) 46(18.669,11.532) 47(18.669,8.992) 48(18.669,6.452) 49(18.669,3.912) 50(18.669,1.372) 51(18.669,-1.168) 52(18.669,-3.708) 53(18.669,-6.248) 54(18.669,-8.788) 55(18.669,-11.328) 56(18.669,-13.868) 57(18.694,-16.408) 58(18.669,-18.948) 59(18.669,-21.488) 60(18.669,-24.028) 62(21.158,21.717) 63(21.209,19.152) 64(21.209,16.612) 65(21.209,14.072) 66(21.209,11.532) 67(21.209,8.992) 68(21.209,6.452) 69(21.209,3.912) 70(21.209,1.372) 71(21.209,-1.168) 72(21.209,-3.708) 73(21.209,-6.248) 74(21.209,-8.788) 75(21.209,-11.328) 76(21.209,-13.868) 77(21.209,-16.408) 78(21.209,-18.948) 79(21.209,-21.488) 80(21.209,-24.028)
  rect 1.5x1.5 hole 1.02: 20(-21.844,-24.054) 61(21.209,24.232)
  silkscreen extent -16.84,22.18 -13.85,25.17, body extent -25.07,-27.65 24.6,27.9, height 16.3
"Mini Crystal" [mm] "THD, 2-Leads, Body 4x10mm, Pitch 5mm"
  round 1.4 hole 0.9: 1(-2.413,-3.937) 2(2.413,-3.937)
  silkscreen extent -5.59,-6.22 5.59,-1.52, body extent -5.61,-6.24 5.59,-1.64, height 3.75
NSL-19M51 [mm]
  round 1.55 hole 1: 1(-1.25,0) 2(1.25,0)
  silkscreen extent -2.52,-1.7 2.05,1.7, body extent -2.05,-1.7 2.05,1.7, height 2.11
pad [mil]
  round 118.11 smd: 1(-38,-3) 2(106,-0.5)
PEC164120FS0012 [mm]
  round 1.95 hole 1.3: A1(0,0) B1(5,0) C1(10,0) D1(2.5,17.5) E1(7.5,17.5)
  round 4.46 hole 2.973: MH1(-2.4,10.5) MH2(12.4,10.5)
  silkscreen extent -3,-2.5 13,18.8, body extent -3.85,-1.95 13.85,18.75, height 30.47
RELAY [mm]
  rect 1.98x1.98 / inner round 1.98 / far side rect 1.98x1.98 hole 1.32: A1(44.967,14.268)
  round 1.98 hole 1.32: A2(44.967,2.268) NC(57.167,14.268) NO(57.167,2.268)
  round 1.935 hole 1.29: COM(42.967,8.268)
  silkscreen extent 40.77,0.52 60.62,16.02, body extent 41.47,0.47 60.67,16.07, height 15.8
RJ45 [mm]
  rect 1.398x1.398 / inner round 1.398 / far side rect 1.398x1.398 hole 0.89: 1(720.758,-112.966)
  round 1.398 hole 0.89: 2(719.488,-115.506) 3(718.218,-112.966) 4(716.948,-115.506) 5(715.678,-112.966) 6(714.408,-115.506) 7(713.138,-112.966) 8(711.868,-115.506)
  round 1.53 hole 1.02: 9(722.933,-101.716) 10(720.393,-101.716) 11(712.223,-101.716) 12(709.683,-101.716)
  round 2.445 hole 1.63: 15(724.053,-109.666) 16(708.563,-109.666)
  round 3.25 hole 3.25 unplated: ""(710.593,-106.616) ""(722.023,-106.616)
  silkscreen extent 708.31,-117.1 725.46,-95.7, body extent 708.29,-113.97 724.33,-92.67, height 13.5
SHDRRA2W80P0X350_1X2_840X920X825P [mm]
  rect 2.025x2.025 hole 1.35: 1(0,0)
  round 2.025 hole 1.35: 2(3.5,0)
  silkscreen extent -2.45,-1.2 5.95,8, body extent -2.45,-1.2 5.95,8, height 7.16
SHDRRA3W80P0X350_1X3_1250X920X745P [mm]
  rect 2.025x2.025 hole 1.35: 1(0,0)
  round 2.025 hole 1.35: 2(-3.5,0) 3(-7,0)
  silkscreen extent -9.9,-1.1 2.9,8.3, body extent -9.75,-1 2.75,8.2, height 7.25
SMC [mm] "DO-214-AB/SMC; 2 C-Bend Leads; Body 7.9 x 5.9 mm, inc. leads (LxW)"
  rect 2.4x3.3 smd: 1(-3.475,0) 2(3.475,0)
  silkscreen extent -5.08,-2.05 5.42,2.06
SMD-0805-RES [mil]
  rect 60x40 smd: 1(0,40) 2(0,-40)
  silkscreen extent -35,-65 35,65, body extent -24,-39 26,39, height 31
SMD-0805C [mil]
  rect 60x40 smd: 1(0,40) 2(0,-40)
  silkscreen extent -25,0 25,0, body extent -25,-39 25,39, height 35
SMD-1206-RES [mil]
  rect 80x60 smd: 1(0,55) 2(0,-55)
  silkscreen extent -45,-90 45,90, body extent -34,-66 34,66, height 33
SOIC127P600X175-8N [mm]
  rect 1.528x0.65 smd: 1(-2.711,1.905) 2(-2.711,0.635) 3(-2.711,-0.635) 4(-2.711,-1.905) 5(2.711,-1.905) 6(2.711,-0.635) 7(2.711,0.635) 8(2.711,1.905)
  silkscreen extent -3.47,-2.45 1.6,2.58, body extent -3.01,-2.45 3.01,2.45, height 1.63
SOIC127P600X175-16N [mm]
  rrect25% 1.97x0.6 smd: 1(-2.475,4.445) 2(-2.475,3.175) 3(-2.475,1.905) 4(-2.475,0.635) 5(-2.475,-0.635) 6(-2.475,-1.905) 7(-2.475,-3.175) 8(-2.475,-4.445) 9(2.475,-4.445) 10(2.475,-3.175) 11(2.475,-1.905) 12(2.475,-0.635) 13(2.475,0.635) 14(2.475,1.905) 15(2.475,3.175) 16(2.475,4.445)
  silkscreen extent -4.24,-5.07 1.95,5.07, body extent -3,-4.95 3,4.95, height 1.75
SOIC127P1030X265-20N [mm]
  rect 1.85x0.65 smd: 1(-4.675,5.715) 2(-4.675,4.445) 3(-4.675,3.175) 4(-4.675,1.905) 5(-4.675,0.635) 6(-4.675,-0.635) 7(-4.675,-1.905) 8(-4.675,-3.175) 9(-4.675,-4.445) 10(-4.675,-5.715) 11(4.675,-5.715) 12(4.675,-4.445) 13(4.675,-3.175) 14(4.675,-1.905) 15(4.675,-0.635) 16(4.675,0.635) 17(4.675,1.905) 18(4.675,3.175) 19(4.675,4.445) 20(4.675,5.715)
  silkscreen extent -5.6,-6.4 3.4,6.4, body extent -5.15,-6.4 5.15,6.4, height 2.65
SOIC127P1030X265-28N [mm]
  rect 1.85x0.65 smd: 1(-4.675,8.255) 2(-4.675,6.985) 3(-4.675,5.715) 4(-4.675,4.445) 5(-4.675,3.175) 6(-4.675,1.905) 7(-4.675,0.635) 8(-4.675,-0.635) 9(-4.675,-1.905) 10(-4.675,-3.175) 11(-4.675,-4.445) 12(-4.675,-5.715) 13(-4.675,-6.985) 14(-4.675,-8.255) 15(4.675,-8.255) 16(4.675,-6.985) 17(4.675,-5.715) 18(4.675,-4.445) 19(4.675,-3.175) 20(4.675,-1.905) 21(4.675,-0.635) 22(4.675,0.635) 23(4.675,1.905) 24(4.675,3.175) 25(4.675,4.445) 26(4.675,5.715) 27(4.675,6.985) 28(4.675,8.255)
  silkscreen extent -5.6,-8.95 3.4,8.95, body extent -5.15,-8.95 5.15,8.95, height 2.65
SOIC127P1046X264-24N [mm]
  rect 1.8x0.7 smd: 1(-4.8,6.985) 2(-4.8,5.715) 3(-4.8,4.445) 4(-4.8,3.175) 5(-4.8,1.905) 6(-4.8,0.635) 7(-4.8,-0.635) 8(-4.8,-1.905) 9(-4.8,-3.175) 10(-4.8,-4.445) 11(-4.8,-5.715) 12(-4.8,-6.985) 13(4.8,-6.985) 14(4.8,-5.715) 15(4.8,-4.445) 16(4.8,-3.175) 17(4.8,-1.905) 18(4.8,-0.635) 19(4.8,0.635) 20(4.8,1.905) 21(4.8,3.175) 22(4.8,4.445) 23(4.8,5.715) 24(4.8,6.985)
  silkscreen extent -5.7,-7.85 3.55,7.85, body extent -5.23,-7.85 5.23,7.85, height 2.64
SOP65P490X110-8N [mm]
  rect 1.4x0.45 smd: 1(-2.2,0.975) 2(-2.2,0.325) 3(-2.2,-0.325) 4(-2.2,-0.975) 5(2.2,-0.975) 6(2.2,-0.325) 7(2.2,0.325) 8(2.2,0.975)
  silkscreen extent -2.9,-1.5 1.15,1.55, body extent -2.45,-1.5 2.45,1.5, height 1.1
SOP65P780X200-28N [mm]
  rect 1.8x0.45 smd: 1(-3.55,4.225) 2(-3.55,3.575) 3(-3.55,2.925) 4(-3.55,2.275) 5(-3.55,1.625) 6(-3.55,0.975) 7(-3.55,0.325) 8(-3.55,-0.325) 9(-3.55,-0.975) 10(-3.55,-1.625) 11(-3.55,-2.275) 12(-3.55,-2.925) 13(-3.55,-3.575) 14(-3.55,-4.225) 15(3.55,-4.225) 16(3.55,-3.575) 17(3.55,-2.925) 18(3.55,-2.275) 19(3.55,-1.625) 20(3.55,-0.975) 21(3.55,-0.325) 22(3.55,0.325) 23(3.55,0.975) 24(3.55,1.625) 25(3.55,2.275) 26(3.55,2.925) 27(3.55,3.575) 28(3.55,4.225)
  silkscreen extent -4.45,-5.1 2.3,5.1, body extent -3.9,-5.1 3.9,5.1, height 2
SOT95P237X112-3N [mm]
  rect 1.25x0.65 smd: 1(-1.05,0.95) 2(-1.05,-0.95) 3(1.05,0)
  silkscreen extent -1.67,-1.43 0.07,1.53, body extent -1.18,-1.43 1.18,1.43, height 1.12
SOT95P270X145-5N [mm]
  rect 1.4x0.6 smd: 1(-1.25,0.95) 2(-1.25,0) 3(-1.25,-0.95) 4(1.25,-0.95) 5(1.25,0.95)
  silkscreen extent -1.95,-1.45 0.2,1.5, body extent -1.35,-1.45 1.35,1.45, height 1.45
SOT95P280X145-6N [mm]
  rect 1.15x0.6 smd: 1(-1.25,0.95) 2(-1.25,0) 3(-1.25,-0.95) 4(1.25,-0.95) 5(1.25,0) 6(1.25,0.95)
  silkscreen extent -1.82,-1.45 0.33,1.6, body extent -1.4,-1.45 1.4,1.45, height 1.45
SOT229P700X180-4N [mm]
  rrect15% 1.31x0.93 smd: 1(-3.345,2.29) 2(-3.345,0) 3(-3.345,-2.29)
  rrect15% 1.31x3.24 smd: 4(3.345,0)
  silkscreen extent -5.1,-3.25 1.75,3.25, body extent -3.5,-3.25 3.5,3.25, height 1.8
SOT-23-3N [mm]
  rect 1.25x0.6 smd: 1(-1.05,0.95) 2(-1.05,-0.95) 3(1.05,0)
  silkscreen extent -1.67,-1.46 0.07,1.5, body extent -1.18,-1.46 1.18,1.46, height 1.12
STPS0560Z [mm]
  rect 0.97x0.65 smd: 1(-1.74,0) 2(1.74,0)
  silkscreen extent -2.5,-0.78 1.3,0.78, body extent -1.97,-0.85 1.97,0.85, height 1.45
"Trim pot square Horizontal" [mm] "THD, 3-Leads, Body 6.6x6.99mm, Pitch 2.54mm"
  rect 1.25x1.25 hole 0.75: 1(-2.54,0.035)
  round 1.25 hole 0.75: 2(0,2.575) 3(2.54,0.035)
  silkscreen extent -4.02,-3.49 3.3,3.49, body extent -3.3,-3.59 3.3,3.4, height 4.5
WE-LQ_1812 [mm] "SMT Inductor, body 4.5x3.2mm"
  rect 2x3.6 smd: 1(-1.7,0) 2(1.7,0)
  silkscreen extent -0.4,-1.75 0.4,1.75, body extent -2.25,-1.6 2.25,1.6, height 2.59
WL-SFTW_3528_150141M173100 [mm] "SMT Full-color TOP LED Waterclear, body 3.5x2.8mm"
  rect 1.5x0.9 smd: 1(1.55,0.7) 2(1.55,-0.7) 3(-1.55,0.7) 4(-1.55,-0.7)
  silkscreen extent -2.92,-1.5 0.5,1.5, body extent -1.75,-1.4 1.75,1.4, height 1.9
WL-SMCW_0603 [mm] "SMD Mono-color Chip LED, body 1.6x0.8mm"
  rect 0.8x0.8 smd: 1(-0.8,0) 2(0.8,0)
  silkscreen extent -1.45,-0.65 1.45,0.65, body extent -0.8,-0.4 0.8,0.4, height 0.7
WL-SMCW_0805 [mm] "SMD Mono-color Chip LED, body 2.0x1.25mm"
  rect 1.1x1.2 smd: 1(-1.05,0) 2(1.05,0)
  silkscreen extent -1.85,-0.88 1.85,0.88, body extent -1,-0.62 1,0.63, height 0.7

## Part data
25MHz 32KHz Y111: library part "Mini Crystal", "9B-64.000MBBK-B", Freq. Stability="+/- 30 ppm", Frequency="4.096 MHz", Load Capacitance="18 pF", Manufacturer=Abracon, Operating Temp. Range="-40 to 85 degC", PartNumber=ABLS2-4.096MHZ-D4Y-T, Shunt Capacitance="7 pF Max.", ComponentLink1Description="Manufacturer URL", ComponentLink1URL=http://www.abracon.com/, ComponentLink2Description=Datasheet, ComponentLink2URL=http://www.abracon.com/Resonators/ABLS2.pdf, DatasheetVersion="Rev. 03.31.11", ESR="180 Ohm", Freq. Tolerance="+/- 30 ppm", Mounting Technology="Surface Mount", Operation Mode="Fundamental or 3rd Overtone", PackageDescription="2-Pin SMD, Body 11.4 x 4.7 mm, Height 3.3 mm", PackageReference=ABLS2-2, Packing="Tape and Reel", RoHS=TRUE
AC1: "Accelerometer", Manufacturer_Name=STMicroelectronics, Mouser Part Number=511-LIS2DE12TR, Arrow Part Number=LIS2DE12TR, Arrow Price/Stock=https://www.arrow.com/en/products/lis2de12tr/stmicroelectronics, Datasheet Link=https://www.mouser.co.uk/datasheet/2/389/dm00153214-1798409.pdf, Height=1mm, Manufacturer_Part_Number=LIS2DE12TR, Mouser Price/Stock=https://www.mouser.co.uk/ProductDetail/STMicroelectronics/LIS2DE12TR?qs=e%2Fel81Nv5iw4m6D8fXXMWA%3D%3D
B: library part Buzzer, "Buzzer 2.3khz 4-6vdc Pcb Wash", Package="Soberton Inc.", Availability=Unavailable, MF="Soberton Inc.", MP=WST-1205S, Price=None, SnapEDA_Link=https://www.snapeda.com/parts/WST-1205S/Soberton%20Inc./view-part/?ref=snap
BT1: "WA-BCPH Battery Holder, THT, battery type 2450", Manufacturer="Wurth Elektronik", Operating Temperature Max=105°C, Operating Temperature Min=-40°C, Battery Type=2450, Category="Battery Holders", ComponentLink1Description="Website Link", ComponentLink1URL=https://www.we-online.com/redexpert/article/79578211?ad, ComponentLink2Description="Datasheet Link", ComponentLink2URL=https://www.we-online.com/redexpert/spec/79578211?ad, Manufacturer Part Number=79578211, Match Code=WA-BCPH, Mount="Through Hole", Packaging=Bag
C41 C42 C43 C44 C45 C47 C61 C62 C63 C64 C65 C66 C67 C68 C91 C92 C111 C112 C113 C114 C115 C116 C131 C132 C133 C141 C142 C143 C144 C145 C171 C172 C173 C174 C211 C212 C221 C222 C223 CA CA1 CA2 CA3 CA4 CA5 CB1 CB2 CB3 CB4 Ct Ct1: library part GCD21BR71H104KA01L, "CAP CER 0.1UF 50V X7R 0805", Digi-Key Part Number=490-11955-1-ND, Manufacturer="Murata Electronics North America", Operating Temperature="-55°C ~ 125°C", Package / Case="0805 (2012 Metric)", Ratings=AEC-Q200, Temperature Coefficient=X7R, Tolerance=±10%, Voltage=50V, @ qty=0, Applications=Automotive, Datasheets=http://www.murata.com/~/media/webrenewal/support/library/catalog/products/capacitor/mlcc/c03e.ashx, Factory Stock=0, Features=-, Height - Seated (Max)=-, Image=//media.digikey.com/Renders/Murata%20Renders/0805%28GxM6%29.jpg, Lead Spacing=-, Lead Style=-, Minimum Quantity=1, Mounting Type="Surface Mount, MLCC", Packaging="Cut Tape (CT)", Part Number=GCD21BR71H104KA01L, Part Status=Active, Quantity Available=157, Series=GCD, Size / Dimension="0.079\" L x 0.049\" W (2.00mm x 1.25mm)", Thickness (Max)="0.049\" (1.25mm)", Unit Price (USD)=0.24
C46: library part GCJ21BR71A106KE01L, "CAP CER 10UF 10V X7R 0805", Digi-Key Part Number=490-12646-1-ND, Manufacturer="Murata Electronics North America", Operating Temperature="-55°C ~ 125°C", Package / Case="0805 (2012 Metric)", Ratings=AEC-Q200, Temperature Coefficient=X7R, Tolerance=±10%, Voltage=10V, @ qty=0, Applications="Automotive, Boardflex Sensitive", Datasheets=http://www.murata.com/~/media/webrenewal/support/library/catalog/products/capacitor/mlcc/c03e.ashx, Factory Stock=0, Features="Soft Termination", Height - Seated (Max)=-, Image=//media.digikey.com/Renders/Murata%20Renders/0805%20(2012%20Metric)%20.85mm.jpg, Lead Spacing=-, Lead Style=-, Minimum Quantity=1, Mounting Type="Surface Mount, MLCC", Packaging="Cut Tape (CT)", Part Number=GCJ21BR71A106KE01L, Part Status=Active, Quantity Available=2702, Series=GCJ, Size / Dimension="0.079\" L x 0.049\" W (2.00mm x 1.25mm)", Thickness (Max)="0.057\" (1.45mm)", Unit Price (USD)=0.56
C94 SuperCap: "Capacitor (Semiconductor SIM Model)", LatestRevisionDate=29-May-2009, LatestRevisionNote="IPC-7351 Footprint Added.", PackageDescription="Chip Capacitor", PackageReference=C1206, Published=8-Jun-2000, Publisher="Altium Limited"
  SuperCap: C93=1.5F
C121 C122: library part "Cap Semi", "Capacitor (Semiconductor SIM Model)", Part Number=C0603C100M5HACTU, LatestRevisionDate=29-May-2009, LatestRevisionNote="IPC-7351 Footprint Added.", PackageDescription="Chip Capacitor", PackageReference=C1206, Published=8-Jun-2000, Publisher="Altium Limited", Source=Mouser
D1 D2 D71 D72 D131 D132 D141: "WL-SMCW SMD Mono-color Chip LED Waterclear, size 0805, Blue", Emitting Color=Blue, Forward Voltage="3.2 V", ComponentLink1Description=Manufacturer, ComponentLink1URL=http://www.we-online.de, ComponentLink2Description=Datasheet, ComponentLink2URL=http://katalog.we-online.de/led/datasheet/150080BS75000.pdf, Part Number=150080BS75000, Peak Wavelength="465 nm", Published Date="Jan 2017", Publisher="Wurth Elektronik", Size=0805, Viewing Angle=140°
D21 D22: "Default Diode", Code_JEDEC=DO-214-AB, LatestRevisionDate=17-Jul-2002, LatestRevisionNote="Re-released for DXP Platform.", PackageDescription="DO-214-AB/SMC; 2 C-Bend Leads; Body 7.9 x 5.9 mm, inc. leads (LxW)", PackageReference=SMC, PackageVersion=Sep-1996, Published=8-Jun-2000, Publisher="Altium Limited"
D61 D62: "Diode", Manufacturer_Name=Vishay, Mouser Part Number=625-1N4148W-V, Arrow Part Number=1N4148W-V-GS08, Arrow Price/Stock=https://www.arrow.com/en/products/1n4148w-v-gs08/vishay, Datasheet Link=https://us.rs-online.com/m/d/a2789c8794cb0c42ced29f2dd8571f3c.pdf, Height=1.35mm, Manufacturer_Part_Number=1N4148W-V-GS08, Mouser Price/Stock=https://www.mouser.co.uk/ProductDetail/Vishay-Semiconductors/1N4148W-V-GS08?qs=TNTIDjy6APrS%2Fdgq1RSs3A%3D%3D
D91: library part 1N4007
D201: library part 150141M173100, "WL-SFTW Full-color TOP LED Waterclear, size 3528, Red & Green & Blue, 120°", Case/Size Code=3528, Emitting Color="Red & Green & Blue", Forward Voltage (Blue)=3.2V, Forward Voltage (Red)=2V, Manufacturer="Wurth Elektronik", Operating Temperature Max=85°C, Operating Temperature Min=-40°C, Category="Signal LEDs", Chip Technology="AlInGaP + InGaN", ComponentLink1Description="Website Link", ComponentLink1URL=https://www.we-online.com/redexpert/article/150141M173100?ad, ComponentLink2Description="Datasheet Link", ComponentLink2URL=https://www.we-online.com/redexpert/spec/150141M173100?ad, Dominant Wavelength (Blue)=470nm, Dominant Wavelength (Green)=520nm, Dominant Wavelength (Red)=625nm, Forward Voltage (Green)=3.2V, Height=1.9mm, Length=3.5mm, Luminous Intensity (Blue)=230mcd, Luminous Intensity (Green)=950mcd, Luminous Intensity (Red)=270mcd, Manufacturer Part Number=150141M173100, Match Code=WL-SFTW, Mount="Surface Mount", Packaging="Tape and Reel", Peak Wavelength (Blue)=465nm, Peak Wavelength (Green)=515nm, Peak Wavelength (Red)=635nm, Viewing Angle=120°, Width=2.8mm
DG1: "WL-SMCW SMD Mono-color Chip LED Waterclear, size 0805, Bright Green", Emitting Color="Bright Green", Forward Voltage="2 V", ComponentLink1Description=Manufacturer, ComponentLink1URL=http://www.we-online.de, ComponentLink2Description=Datasheet, ComponentLink2URL=http://katalog.we-online.de/led/datasheet/150080VS75000.pdf, Part Number=150080VS75000, Peak Wavelength="572 nm", Published Date="Jan 2017", Publisher="Wurth Elektronik", Size=0805, Viewing Angle=140°
DG2 DG3 DG4 DG5: library part 150080VS75000, "WL-SMCW SMD Mono-color Chip LED Waterclear, size 0805, Bright Green", Emitting Color="Bright Green", Forward Voltage="2 V", ComponentLink1Description=Manufacturer, ComponentLink1URL=http://www.we-online.de, ComponentLink2Description=Datasheet, ComponentLink2URL=http://katalog.we-online.de/led/datasheet/150080VS75000.pdf, Part Number=150080VS75000, Peak Wavelength="572 nm", Published Date="Jan 2017", Publisher="Wurth Elektronik", Size=0805, Viewing Angle=140°
DS1 DS2: library part 157119S12801, "WL-T7DS 7 Segments Display THT Single Digit, 0.39\"/ 9.9mm, Common Anode, 38mcd, 2V, Super Red", Emitting Color="Super Red", Forward Voltage=2V, Manufacturer="Wurth Elektronik", Operating Temperature Max=85°C, Operating Temperature Min=-40°C, Category="7 Segments Display", Circuitry="Common Anode", ComponentLink1Description="Website Link", ComponentLink1URL=https://www.we-online.com/redexpert/article/157119S12801?ad, ComponentLink2Description="Datasheet Link", ComponentLink2URL=https://www.we-online.com/redexpert/spec/157119S12801?ad, Display Height="0.39\"/ 9.9mm", Height=7mm, Length=13mm, Luminous Intensity=38mcd, Manufacturer Part Number=157119S12801, Match Code=WL-T7DS, Mount="Through Hole", Packaging=Tube, Width=10mm
ENC: "Integrated Circuit", Arrow Part Number=ENC28J60T-I/SS, Manufacturer_Name=Microchip, Mouser Part Number=579-ENC28J60T-I/SS, Arrow Price/Stock=https://www.arrow.com/en/products/enc28j60t-iss/microchip-technology?region=nac, Datasheet Link=https://mouser.componentsearchengine.com/Datasheets/2/ENC28J60T-I_SS.pdf, Height=2mm, Manufacturer_Part_Number=ENC28J60T-I/SS, Mouser Price/Stock=https://www.mouser.co.uk/ProductDetail/Microchip-Technology/ENC28J60T-I-SS?qs=0swJU7D5CoWRYqX2omYpJQ%3D%3D
FB111: "Ferrite Bead", Manufacturer_Name="Murata Electronics", Mouser Part Number=81-BLM18SG121TN1D, Arrow Part Number=BLM18SG121TN1D, Arrow Price/Stock=https://www.arrow.com/en/products/blm18sg121tn1d/murata-manufacturing?region=nac, Datasheet Link=http://www.murata.com/~/media/webrenewal/support/library/catalog/products/emc/emifil/c31e.ashx?la=en-gb, Height=0.75mm, Manufacturer_Part_Number=BLM18SG121TN1D, Mouser Price/Stock=https://www.mouser.co.uk/ProductDetail/Murata-Electronics/BLM18SG121TN1D?qs=OMB6gcCnelWdy%252B7xRA0fBw%3D%3D
IC41: library part MTS2916A-HGC1, "Integrated Circuit", Manufacturer_Name=Microchip, Mouser Part Number=579-MTS2916A-HGC1, Arrow Part Number=MTS2916A-HGC1, Arrow Price/Stock=https://www.arrow.com/en/products/mts2916a-hgc1/microchip-technology?region=nac, Datasheet Link=http://ww1.microchip.com/downloads/en/DeviceDoc/22259C.pdf, Height=2.642mm, Manufacturer_Part_Number=MTS2916A-HGC1, Mouser Price/Stock=https://www.mouser.co.uk/ProductDetail/Microchip-Technology/MTS2916A-HGC1?qs=gdymDg%2FOn%252BFGBMeCto2zTQ%3D%3D
IC61 IC62: "Integrated Circuit", Arrow Part Number=MCP16331T-E/CH, Manufacturer_Name=Microchip, Mouser Part Number=579-MCP16331T-E/CH, Arrow Price/Stock=https://www.arrow.com/en/products/mcp16331t-ech/microchip-technology?region=nac, Datasheet Link=http://ww1.microchip.com/downloads/en/DeviceDoc/20005308C.pdf, Height=1.45mm, Manufacturer_Part_Number=MCP16331T-E/CH, Mouser Price/Stock=https://www.mouser.co.uk/ProductDetail/Microchip-Technology/MCP16331T-E-CH?qs=rQCxX1QmdjIpfF%2FjMAUv9A%3D%3D